# Allegro board FEE5_10_30.brd (continued)
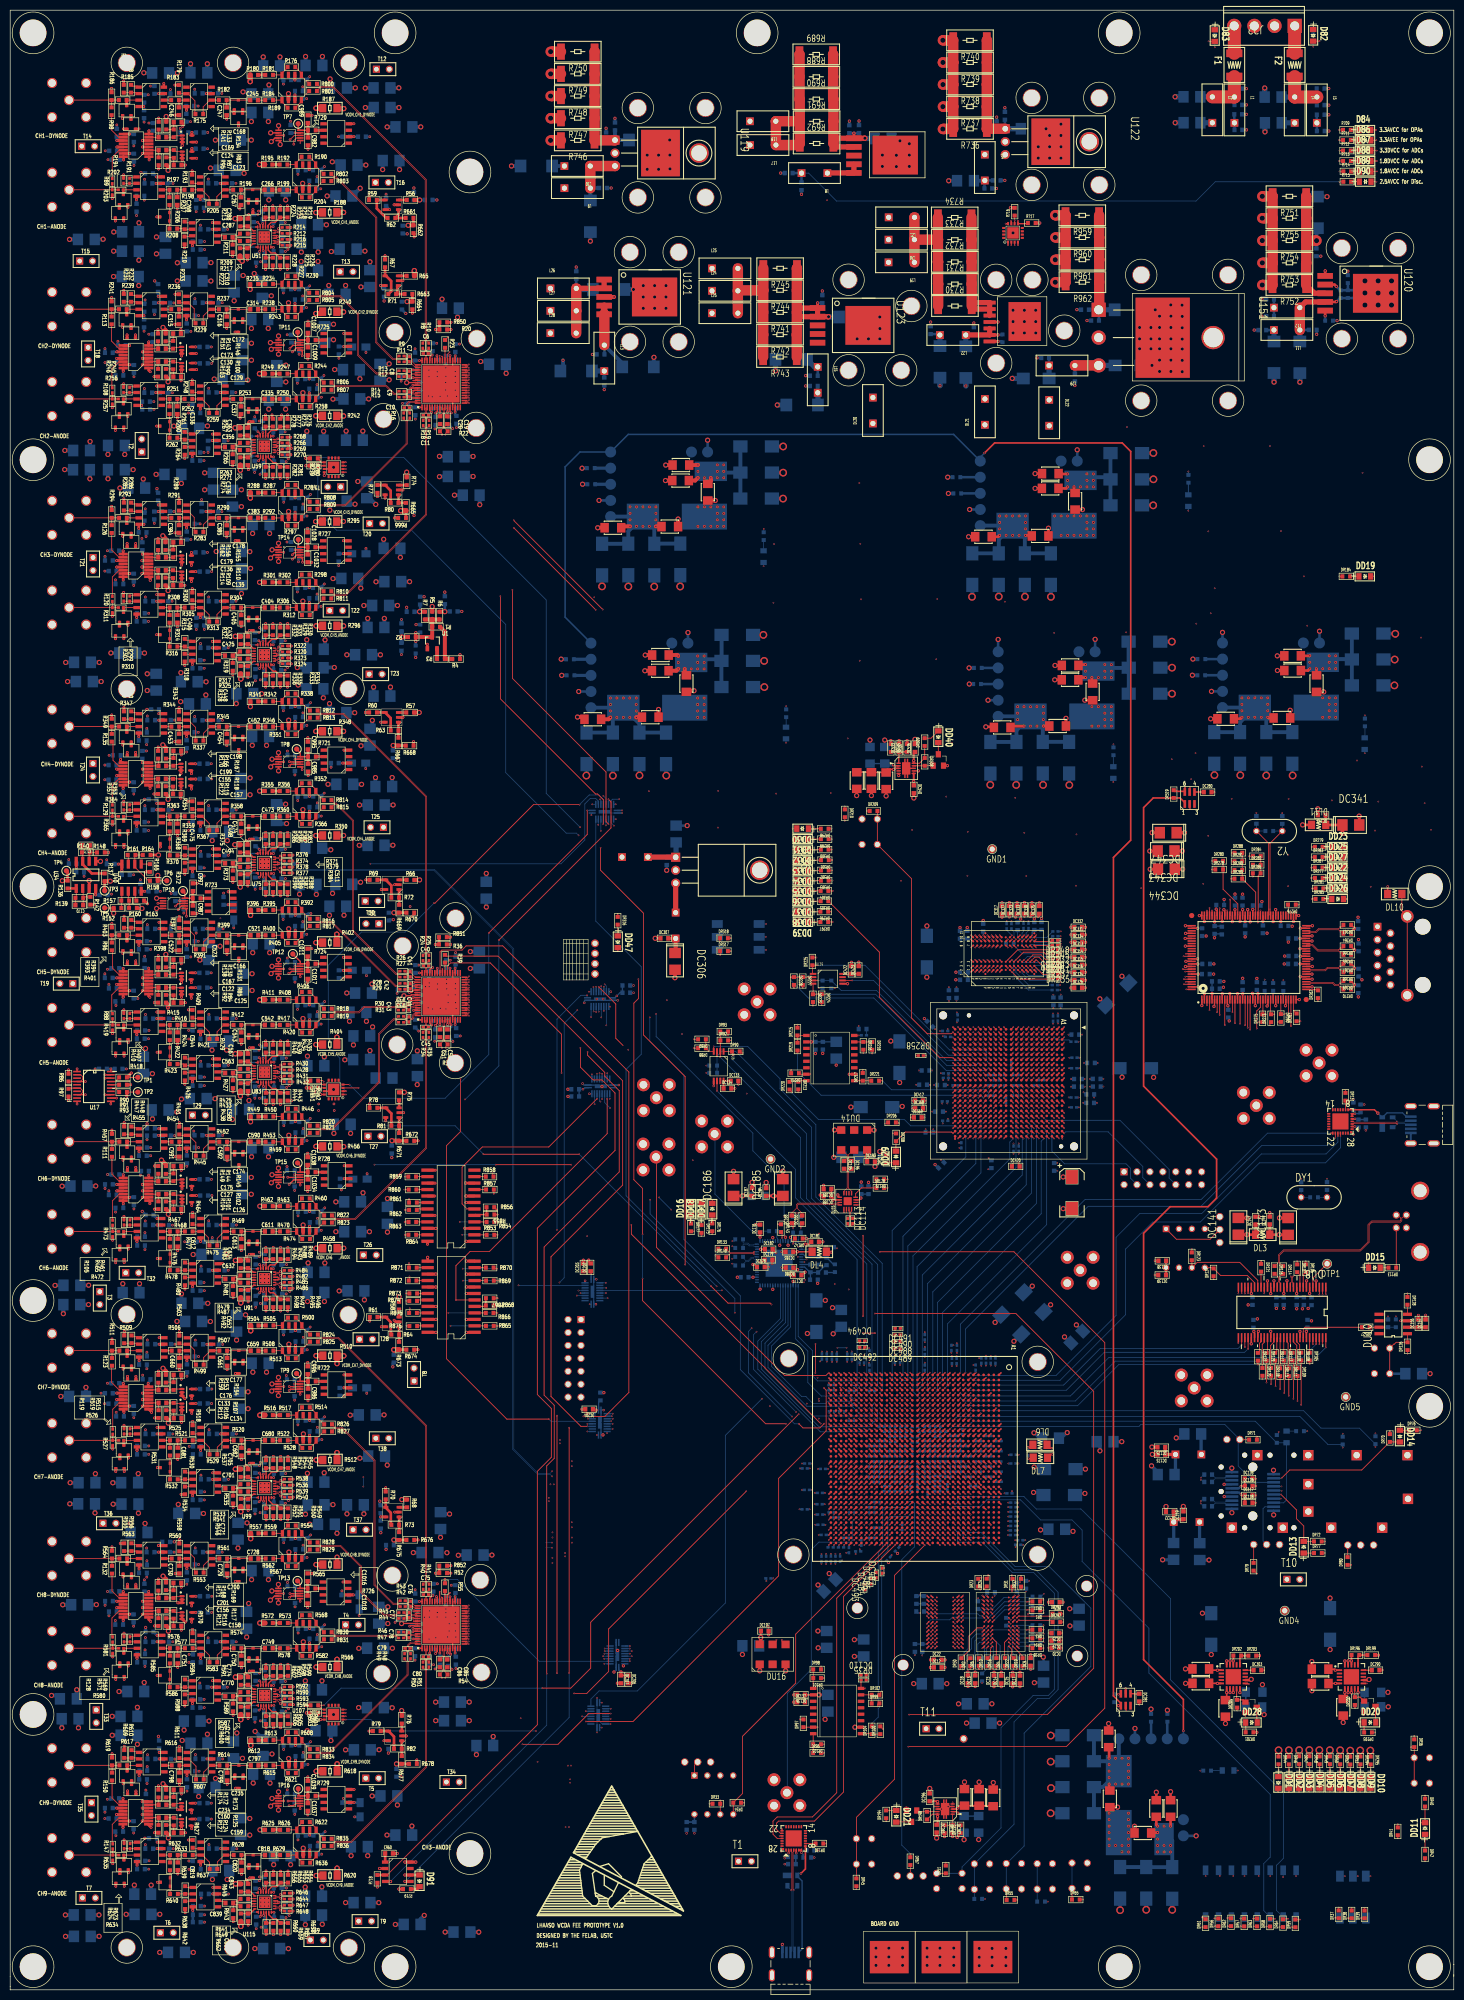
[diagram p0: board, top side]
## Routing (per net, layer and track width the routed paths; a pad name or vN(x,y) marks a point on that pad's centre or on a via; arc(x,y) is an arc through that point) (continued)
SCLK_ADC2_BUF: length 68.9
  TOP w0.152: DU4.AC28 v1(171.79,93.32)
  S5 w0.152: v1(118.34,110.14) 120.72,107.76 147.68,107.76 151.56,103.87 172.12,103.87 172.27,103.72 172.27,93.8 v1(171.79,93.32)
  BOTTOM w0.152: DU20.8 v1(118.34,110.14)
SCLK_ADC3: length 44.6
  TOP w0.254: v9(86.42,77.97) 85.9,77.45 85.9,77.43 85.87,77.4 85.87,76.29 U4.38
  S5 w0.152: v9(86.42,77.97) 88.4,77.97 102.84,63.53 118.23,63.53 119.23,64.53 v1(121.72,64.53)
  BOTTOM w0.152: v1(121.72,64.53) 121.7,64.51 DU24.18
SCLK_ADC3_BUF: length 69.4
  TOP w0.152: DU4.AC31 v1(171.79,90.32)
  S5 w0.152: v1(171.79,90.32) 171.34,89.87 171.34,87.03 159.47,75.16 128.75,75.16 117.61,64.02 v1(116.71,64.02)
  BOTTOM w0.152: DU24.2 116.72,64.01 v1(116.71,64.02)
SCLK_DAC1: length 236.7
  TOP w0.152: v3(55.71,362.41) 55.71,363.12 56.23,363.64 U128.7 ; R864.2 78.19,148.24 v1(77.53,148.24)
  S3 w0.152: v3(55.71,362.41) 72.11,346.01 72.11,323.72 75.44,320.39 75.44,311.69 80.06,307.07 80.06,298.87 86.59,292.34 86.59,214.88 85.31,213.6 85.31,199.21 85.09,198.99 85.09,186.89 84.94,186.74 84.94,186.66 84.53,186.25 84.45,186.25 83.69,185.49 83.69,165.55 84.85,164.38 84.85,152.02 81.08,148.24 v1(77.53,148.24)
SCLK_DAC2: length 191.5
  TOP w0.152: R863.2 77.49,150.79 v1(77.48,150.78)
  TOP w0.254: U136.7 56.28,322.46 v3(55.44,321.63)
  S3 w0.152: v1(77.48,150.78) 77.48,150.78 82.34,155.64 82.34,190.47 83.68,191.8 83.68,193.72 83.12,194.29 83.12,198.63 82.46,199.29 82.46,201.92 84.35,203.8 84.35,289.15 71.4,302.11 67.68,302.11 62.38,307.41 62.38,314.7 v3(55.44,321.63)
SCLK_DAC3: length 143.5
  TOP w0.152: R862.2 v1(77.54,153.14)
  TOP w0.254: v3(55.45,280.92) 55.46,280.92 56.26,281.73 56.99,281.73 U142.7
  S3 w0.152: v1(77.54,153.14) 77.54,153.19 80.92,156.58 80.92,215 82.14,216.22 82.14,243.18 55.45,269.87 v3(55.45,280.92)
SCLK_DAC4: length 99.3
  TOP w0.152: v1(78.36,155.27) 78.36,155.1 78.36,155.1 R861.2
  TOP w0.254: v3(54.89,240.34) 55.19,240.64 U129.7
  S3 w0.152: v1(78.36,155.27) 78.36,188.25 73.97,192.64 73.97,221.35 59.59,235.72 56.9,235.72 54.89,237.74 v3(54.89,240.34)
SCLK_DAC5: length 58.9
  TOP w0.152: R860.2 v1(77.42,157.14)
  TOP w0.254: v3(54.72,199.62) 54.92,199.62 55.28,199.98 U137.7
  S4 w0.152: v3(54.72,199.62) 54.72,189.5 56.34,187.88 56.34,171.86 71.06,157.14 v1(77.42,157.14)
SCLK_DAC6: length 26.6
  TOP w0.152: R859.2 77.69,159.68 v1(77.54,159.68)
  TOP w0.254: U143.7 55.72,159.06 v3(54.8,158.14)
  S3 w0.152: v3(54.8,158.14) 55.34,158.67 76.54,158.67 v1(77.54,159.68)
SCLK_DAC7: length 65.3
  TOP w0.152: v1(94.76,160.37) 94.76,159.87 R858.1
  TOP w0.254: v3(54.81,117.69) 55.06,117.94 56.94,117.94 U130.7
  S2 w0.152: v1(94.76,160.37) 90.2,160.37 60.11,130.29 60.11,125.75 54.35,119.98 54.35,118.15 v3(54.81,117.69)
SCLK_DAC8: length 103.4
  TOP w0.152: R857.1 v1(95.01,156.33)
  TOP w0.254: v3(54.9,77.07) 54.96,77.07 55.21,77.32 U138.7
  S2 w0.152: v1(95.01,156.33) 95.01,146.9 89.19,141.08 89.1,141.08 88.78,140.76 88.78,140.67 80.3,132.19 80.29,132.19 79.98,131.87 79.98,131.87 59.58,111.46 59.58,108.61 58.67,107.71 56.78,107.71 51.25,102.17 51.25,97.01 50.84,96.6 50.84,86.88 53.68,84.04 53.68,79.27 54.28,78.67 54.28,77.69 v3(54.9,77.07)
SCLK_DAC9: length 144.7
  TOP w0.152: R854.1 v1(96,150.79)
  TOP w0.254: U144.7 56.09,36.59 55.64,36.14 v3(54.79,36.14)
  S5 w0.152: v1(88.31,150.79) 88.31,90.36 78.62,80.67 78.62,72.38 77.98,71.74 77.98,53.5 74.1,49.62 66.69,49.62 62.43,45.36 62.43,42.32 56.26,36.14 v3(54.79,36.14)
  BOTTOM w0.152: v1(96,150.79) v1(88.31,150.79)
SCLK_DAC_BUF: length 43.1
  TOP w0.152: v1(115.27,174.97) 105.8,165.5 92.74,165.5 88.77,161.53 88.77,154.33 v1(89.72,153.37) 91.15,153.37 U148.6
  BOTTOM w0.152: DU17.17 115.27,175.95 v1(115.27,174.97)
SCLK_DAC_BUF_A7_FPGA: length 0.6
  TOP w0.152: DU4.AB24 v1(172.79,97.32)
SCLK_DAC_CALIB: length 126
  TOP w0.152: R853.1 v1(95.76,148.25)
  TOP w0.254: v3(33.01,212.1) 33.01,212.21 33.64,212.84 U131.7
  S1 w0.152: v3(78.56,212.73) 79.79,212.73 88.76,203.75 88.76,189.46 90.1,188.11 90.1,148.85 89.5,148.25 v1(88.81,148.25)
  S4 w0.152: v3(78.56,212.73) 45.39,212.73 44.77,212.1 v3(33.01,212.1)
  BOTTOM w0.152: v1(88.81,148.25) 88.81,148.25 v1(95.76,148.25)
SDIO_ADC1: length 174.5
  TOP w0.152: v9(86,324.52) 85.43,323.96 R23.1
  S5 w0.152: v9(86,324.52) 89.02,327.55 94.23,327.55 109.21,312.57 109.21,179.49 v1(114.8,173.91)
  BOTTOM w0.152: v1(114.8,173.91) 114.8,175.93 DU17.18
SDIO_ADC1_BUF: length 117.1
  TOP w0.152: DU4.AB25 v1(172.79,96.32)
  S2 w0.152: v1(172.79,96.32) 172.35,96.76 171.47,96.76 171.21,97.02 171.21,101.62 171.06,101.77 158.52,101.77 114.28,146.01 v1(114.28,179.77)
  BOTTOM w0.152: DU17.2 v1(114.28,179.77)
SDIO_ADC2: length 123.5
  TOP w0.152: v1(113.39,110.65) 112.11,110.65 106.23,116.52 106.23,143.93 120.31,158.02 120.31,178.5 95.84,202.97 85.67,202.97 R39.1
  BOTTOM w0.152: DU20.14 114.36,110.65 v1(113.39,110.65)
SDIO_ADC2_BUF: length 70.8
  TOP w0.152: DU4.AA28 v1(173.79,93.32)
  S5 w0.152: v1(118.34,111.14) 120.86,108.61 148.3,108.61 152.28,104.63 173.13,104.63 173.28,104.48 173.28,93.83 v1(173.79,93.32)
  BOTTOM w0.152: DU20.6 v1(118.34,111.14)
SDIO_ADC3: length 39.9
  TOP w0.254: v3(85.41,80.6) 85.41,80.35 85.41,80.34 R55.1
  BOTTOM w0.152: v3(85.41,80.6) 87.84,80.6 103.93,64.51 DU24.3
SDIO_ADC3_BUF: length 66.6
  TOP w0.152: DU4.V33 v1(176.79,88.32)
  S5 w0.152: v1(176.79,88.32) 176.34,87.87 174.47,87.87 174.31,87.71 174.31,87.18 159.48,72.36 130.29,72.36 122.95,65.01 v1(121.69,65.01)
  BOTTOM w0.152: DU24.17 v1(121.69,65.01)
SENSE_ADC1: length 15.1
  TOP w0.254: U2.55 79.69,316.08 79.62,316.01 v9(79.17,316.01)
  TOP w0.508: v3(83.54,326.04) 83.56,326.02 R20.1 84.32,327.43 R850.1
  S5 w0.254: v3(83.54,326.04) 81.28,323.78 81.28,317.86 79.43,316.01 v9(79.17,316.01)
SENSE_ADC2: length 13.9
  TOP w0.254: U3.55 v9(79.47,195.83)
  TOP w0.508: v3(83.48,205.25) 83.5,205.27 R36.1 84.25,206.7 R851.1
  S5 w0.254: v3(83.48,205.25) 81.66,203.42 81.66,198 79.49,195.83 v9(79.47,195.83)
SENSE_ADC3: length 14.2
  TOP w0.254: v9(79.24,72.39) 80.04,72.39 U4.55
  TOP w0.508: v3(83.53,81.82) 83.54,81.83 R52.1 84.29,83.27 R852.1
  S5 w0.254: v9(79.24,72.39) 79.3,72.45 79.32,72.45 81.25,74.38 81.25,79.54 v3(83.53,81.82)
SFP_RD_N: length 4.3
  BOTTOM w0.102: DC131.1 236.69,95.55 238.65,95.55 238.94,95.26 DU5.12
SFP_RD_P: length 4.3
  BOTTOM w0.102: DU5.13 238.94,96.05 238.66,95.76 236.69,95.76 DC129.2
SFP_RS0: length 22.7
  S2 w0.152: DJ6.2 265.16,87.45 265.16,90.56 259.27,96.45 v1(249.59,96.45)
  BOTTOM w0.152: DU5.7 v1(249.59,96.45)
SFP_RS1: length 9.6
  BOTTOM w0.152: DU5.9 246.49,94.85 246.12,94.48 246.12,88.13 DJ5.2
SFP_TD_N: length 4.3
  BOTTOM w0.102: DU5.19 238.95,100.85 238.66,100.56 236.7,100.56 DC132.2
SFP_TD_P: length 4.3
  BOTTOM w0.102: DC130.2 236.09,99.76 236.68,100.35 238.69,100.35 238.97,100.06 DU5.18
SFP_TX_DETECT: length 14.5
  TOP w0.152: DR72.1 256.11,88.05 DD13.2 254.11,91.08 252.67,92.52 252.67,94.25 v1(249.65,97.27)
  BOTTOM w0.152: DU5.6 v1(249.65,97.27)
SFP_TX_FAULT: length 27.8
  TOP w0.152: DD14.2 271.04,107.58 DR70.1 265.5,102.07 251.36,102.07 v1(249.73,100.44)
  BOTTOM w0.152: DU5.2 v1(249.73,100.44)
SITCP_EEPROM_CS: length 79.9
  TOP w0.152: v1(141.97,183.57) 141.97,184.08 DR90.1 DU6.1 ; DU4.AF4 v1(168.79,118.19)
  BOTTOM w0.152: v1(141.97,183.57) 141.97,182.57 156.44,168.1 156.44,155.36 169.3,142.5 169.3,118.69 v1(168.79,118.19)
SITCP_EEPROM_DI: length 86.7
  TOP w0.152: DU4.AD4 v1(170.79,118.19) ; v1(138.85,183.38) 138.84,183.38 DU6.3
  BOTTOM w0.152: 138.85,183.37 v1(138.85,183.38) ; 138.85,183.37 139.77,184.28 142.51,184.28 157.39,169.4 157.39,155.43 170.41,142.41 170.41,118.57 v1(170.79,118.19) ; 138.85,183.37 138.85,181.49 DR94.1 138.86,180.07 DR95.1
SITCP_EEPROM_DO: length 91
  TOP w0.152: v1(138.2,185.24) DU6.4 137.3,184.26 DR88.1 DR89.1 ; DU4.AD5 v1(170.79,117.19)
  BOTTOM w0.152: v1(170.79,117.19) 171.3,117.7 171.3,142.65 158.27,155.68 158.27,169.87 151.22,176.92 151.22,178.9 144.88,185.24 v1(138.2,185.24)
SITCP_EEPROM_ORG: length 72.5
  TOP w0.152: DU6.6 v1(138.84,176.52) ; DU4.AH4 v1(166.79,118.19)
  BOTTOM w0.152: v1(138.84,176.52) 154.26,161.11 154.26,155.52 166.37,143.42 166.37,118.95 166.79,118.53 v1(166.79,118.19)
SITCP_EEPROM_SK: length 82.7
  TOP w0.152: v1(139.49,183.12) DU6.2 139.49,186.41 DR92.1 139.5,188.17 DR93.1 ; DU4.AG4 v1(167.79,118.19)
  BOTTOM w0.152: v1(167.79,118.19) 168.27,118.67 168.27,142.53 155.25,155.55 155.25,167.36 v1(139.49,183.12)
STATUS: length 26.9
  TOP w0.152: v1(133.75,155.1) 133.75,154.46 DD16.2
  S4 w0.152: v1(133.75,155.1) 140.27,148.57 143.48,148.57 148.13,143.92 v1(154.72,143.92)
  BOTTOM w0.152: DU13.6 v1(154.72,143.92)
SW1: length 136.1
  TOP w0.152: DU4.H26 v1(187.65,95.32) ; v1(253.35,13.8) 253.34,13.81 DR59.2
  S5 w0.152: v1(253.35,13.8) 253.35,23.95 247.51,29.8 247.51,48.83 250.25,51.57 250.25,68.3 246.04,72.51 228.38,72.51 206.04,94.85 201,94.85 199.02,96.83 188.25,96.83 188.13,96.71 188.13,95.79 187.67,95.32 v1(187.65,95.32)
  BOTTOM w0.152: DSW7.1 253.09,13.8 v1(253.35,13.8)
SW2: length 127.2
  TOP w0.152: DR64.2 250.13,13.95 v1(251.01,13.95) ; DU4.K26 v1(185.65,95.32)
  BOTTOM w0.152: v1(185.65,95.32) 185.68,95.32 186.14,95.79 186.14,96.61 186.38,96.85 199.14,96.85 201.57,94.42 210.34,94.42 227.93,76.82 227.93,60.89 250.14,38.68 250.14,25.84 248.75,24.45 248.75,15.6 DSW7.2 250.4,13.95 v1(251.01,13.95)
SW3: length 124.1
  TOP w0.152: DR58.2 v1(248.43,13.95) ; DU4.L27 v1(184.65,94.32)
  BOTTOM w0.152: v1(184.65,94.32) 184.67,94.32 185.26,94.91 190.55,94.91 191.85,96.22 198.47,96.22 202.42,92.26 208.58,92.26 210.57,90.28 210.57,84.11 223.69,70.99 223.69,62.19 247.52,38.36 247.52,26.07 246.25,24.8 246.25,15.55 DSW7.3 247.85,13.95 v1(248.43,13.95)
SW4: length 128.8
  TOP w0.152: DU4.G26 v1(188.65,95.32) ; v1(244.16,13.99) 244.16,13.99 DR63.2
  S5 w0.152: v1(188.65,95.32) 188.67,95.32 189.29,95.95 193.16,95.95 194.77,94.34 205.77,94.34 230.53,69.58 245.82,69.58 248.01,67.39 248.01,51.97 245.76,49.72 245.76,25.56 244.16,23.96 v1(244.16,13.99)
  BOTTOM w0.152: v1(244.16,13.99) 244.7,13.99 DSW7.4
SW5: length 112.6
  TOP w0.152: v1(241.65,14.01) 241.67,13.99 DR57.2 ; DU4.G27 v1(188.65,94.32)
  S5 w0.152: v1(188.65,94.32) 188.66,94.32 189.18,94.85 192.96,94.85 194.42,93.39 202.64,93.39 216.68,79.35 216.68,72.92 241.65,47.95 v1(241.65,14.01)
  BOTTOM w0.152: v1(241.65,14.01) 242.18,14.01 DSW7.5
SW6: length 110.8
  TOP w0.152: v1(239.1,14.11) 239.74,14.11 DR62.2 ; DU4.H27 v1(187.65,94.32)
  S5 w0.152: v1(187.65,94.32) 187.65,94.32 188.2,93.78 192.93,93.78 195.18,91.53 202.48,91.53 214.26,79.74 214.26,73.77 239.1,48.94 v1(239.1,14.11)
  BOTTOM w0.152: DSW7.6 239.74,14.11 v1(239.1,14.11)
SW7: length 108.1
  TOP w0.152: DU4.J26 v1(186.65,95.32) ; v1(236.53,14.02) 236.55,14 DR56.2
  S5 w0.152: v1(186.65,95.32) 186.65,95.28 187.14,94.8 187.14,92.95 187.31,92.78 190.28,92.78 200.61,82.44 204.13,82.44 236.53,50.04 v1(236.53,14.02)
  BOTTOM w0.152: DSW7.7 237.11,14.02 v1(236.53,14.02)
SW8: length 113.4
  TOP w0.152: v1(234.08,14.22) 234.44,14.22 DR61.2 ; DU4.K27 v1(185.65,94.32)
  S5 w0.152: v1(185.65,94.32) 185.65,94.3 186.21,93.74 186.21,92.01 186.44,91.78 189.27,91.78 199.42,81.63 201.32,81.63 204.71,78.24 204.71,67.04 208.71,63.05 221.67,63.05 234.84,49.88 234.84,26.28 234.08,25.52 v1(234.08,14.22)
  BOTTOM w0.152: DSW7.8 234.77,14.22 v1(234.08,14.22)
SY8933_EN: length 6.9
  TOP w0.152: DR179.2 170.16,159.14 DR178.1 167.22,157.47 166.09,156.34 DU15.8
SYNC_DAC_CALIB: length 1.7
  TOP w0.254: U131.6 34.37,212.34 34.63,212.08 v3(34.63,210.82)
T_CS: length 247.2
  TOP w0.152: v1(197.96,342.58) 197.96,342.65 197.97,342.65 U125.4
  S1 w0.152: v1(112.03,136.81) 112.03,146.68 v1(113.35,148)
  S3 w0.152: v1(131.97,187.69) 131.96,187.67 131.96,159.24 120.71,148 v1(113.35,148)
  S4 w0.152: v1(197.96,342.58) 197.96,335.45 190.56,328.05 190.56,315.25 161.64,286.33 161.64,247.24 134.86,220.46 134.86,190.58 v1(131.97,187.69)
  BOTTOM w0.152: DU21.15 112.91,136.81 v1(112.03,136.81)
T_CS1: length 105.2
  TOP w0.152: v1(115.01,270.99) 115.01,271 v1(98.91,287.1)
  TOP w0.254: v1(65.94,299.94) 65.85,299.94 U152.4
  S4 w0.152: v1(98.91,287.1) 86.07,299.94 v1(65.94,299.94) ; v1(115.51,228.77) 115.02,229.26 115.02,270.98 v1(115.01,270.99)
  BOTTOM w0.152: v1(115.51,228.77) 115.51,229.86 DU45.8
T_CS1_BUF: length 146.3
  TOP w0.152: DU4.AD11 v1(170.79,111.19)
  S1 w0.152: v1(144.68,175.99) 144.68,186.66 134.94,196.4 134.94,204.45 114.66,224.74 114.66,232.46 v1(114.33,232.78)
  S5 w0.152: v1(144.68,175.99) 144.68,165.72 170.41,139.99 170.41,118.03 170.42,118.02 170.42,117.35 170.41,117.34 170.41,111.57 v1(170.79,111.19)
  BOTTOM w0.152: DU45.12 v1(114.33,232.78)
T_CS2: length 90.2
  TOP w0.152: v1(113.36,231.58) 113.36,226.87 v1(94.01,207.52) ; v1(66.65,177.76) 66.65,177.76 U153.4
  BOTTOM w0.152: v1(66.65,177.76) 69.34,175.07 85.44,175.07 94.01,183.64 v1(94.01,207.52) ; DU45.11 v1(113.36,231.58)
T_CS2_BUF: length 147.7
  TOP w0.152: DU4.AF10 v1(168.79,112.19)
  S3 w0.152: v1(168.79,112.19) 168.3,112.68 168.3,113.28 167.9,113.68 159.92,113.68 138.77,134.82 v1(138.77,138.13)
  BOTTOM w0.152: v1(138.77,138.13) 120.98,155.92 120.98,180.73 123.97,183.71 123.97,200.91 115.03,209.84 DU45.9
T_CS3: length 54.8
  TOP w0.152: U154.4 65.84,55.02 65.84,55.02 v1(65.93,55.02)
  S1 w0.152: v1(100.28,53.32) 109.21,53.32 112.28,56.39 v1(116.25,56.39)
  S3 w0.152: v1(100.28,53.32) 98.48,51.52 70.34,51.52 66.85,55.02 v1(65.93,55.02)
  BOTTOM w0.152: DU46.11 116.24,56.4 v1(116.25,56.39)
T_CS3_BUF: length 99.8
  TOP w0.152: DU4.AG6 v1(167.79,116.19)
  S4 w0.152: v1(158.83,116.08) 159.51,116.08 159.95,115.64 167.24,115.64 v1(167.79,116.19)
  S5 w0.152: v1(147.7,116.08) v1(158.83,116.08)
  BOTTOM w0.152: v1(147.7,116.08) 140.49,108.87 140.49,75.96 123.21,58.68 115.67,58.68 114.08,57.09 DU46.9
T_CS_BUF: length 59.5
  TOP w0.152: DU4.AH3 v1(166.79,119.19)
  S2 w0.152: v1(139.82,137.35) 139.83,137.33 144.03,137.33 159.45,121.91 163.81,121.91 164.27,121.44 164.27,121.16 164.87,120.57 165.16,120.57 165.33,120.4 165.33,120.06 165.82,119.57 166.4,119.57 v1(166.79,119.19)
  BOTTOM w0.152: v1(139.82,137.35) 139.8,137.33 DU21.5
T_CT: length 283.7
  TOP w0.152: DU4.AJ1 v1(165.79,121.19) ; U125.10 197.32,347.31 197.32,347.31 v1(197.32,347.39) R716.1
  S2 w0.152: v1(197.32,347.39) 198.62,346.09 198.62,340.38 197.15,338.91 197.15,332.11 185.48,320.43 185.48,250.55 170.56,235.64 170.56,234.69 164.96,229.09 164.96,228.16 121.42,184.61 v1(121.42,184.61)
  S5 w0.152: v1(121.42,184.61) 121.42,158.42 144.28,135.56 147.81,135.56 159.84,123.53 159.84,123.42 159.86,123.4 159.86,123.16 161.42,121.6 165.38,121.6 165.79,121.19 v1(165.79,121.19)
T_CT1: length 255.5
  TOP w0.152: DU4.AE11 v1(169.79,111.19) ; v1(154.93,111.15) 155.74,110.34 159.05,110.34 v1(159.89,111.19)
  TOP w0.254: U152.10 60.45,299.29 R1000.1 60.44,298.63 60.44,298.63 v1(60.44,298.59)
  S1 w0.152: v1(125.65,190.95) 125.65,209.33 111.66,223.32 v1(111.66,226.69)
  S5 w0.152: v1(169.79,111.19) 169.22,110.62 160.42,110.62 159.89,111.15 v1(159.89,111.19)
  BOTTOM w0.152: v1(111.66,226.69) 111.22,227.13 109.23,227.13 97.34,239.03 97.34,268.11 78.83,286.62 64.11,286.62 60.44,290.29 v1(60.44,298.59) ; v1(125.65,190.95) 125.65,186.32 132.35,179.63 132.35,147.37 143.43,136.29 143.43,121.79 154.07,111.15 v1(154.93,111.15)
T_CT2: length 144.8
  TOP w0.152: v1(159.22,111.19) 122.02,148.38 v1(122.02,150.21) ; DU4.AC11 v1(171.79,111.19) ; v1(59.91,176.14) 59.91,176.44 60.51,177.03 R1003.1 60.51,177.11 U153.10 ; v1(95.4,162.03) v1(110.22,162.03)
  S3 w0.152: v1(122.02,150.21) 122.02,150.23 v1(110.22,162.03) ; v1(159.22,111.19) 159.79,110.62 171.22,110.62 v1(171.79,111.19) ; v1(71.56,162.04) 71.52,162.04 61.88,171.67 61.88,173.68 59.91,175.65 v1(59.91,176.14)
  BOTTOM w0.152: v1(95.4,162.03) 71.56,162.03 v1(71.56,162.04)
T_CT3: length 149.6
  TOP w0.152: v1(144.6,97.91) 117.56,70.87 117.56,62.5 113.26,58.2 v1(110.78,58.2) ; DU4.AF7 v1(168.79,115.19) ; U154.10 R1005.1 60.53,53.82 v1(60.08,53.38)
  S1 w0.152: v1(168.79,115.19) 168.35,115.63 158.9,115.63 v1(158.9,115.63) ; v1(144.6,97.91) 149.23,102.54 v1(149.23,114.6)
  S3 w0.152: v1(110.78,58.2) 64.88,58.2 60.08,53.4 v1(60.08,53.38)
  S5 w0.152: v1(149.23,114.6) 150.26,115.63 v1(158.9,115.63)
T_DIN: length 190.2
  TOP w0.152: U125.3 197.32,342.65 197.32,342.64 v1(197.32,342.58)
  S4 w0.152: v1(197.32,342.58) 196.79,342.06 190.84,342.06 184.92,336.15 184.92,319.25 152.58,286.91 152.58,255.77 123.47,226.66 123.47,206.37 114.13,197.03 114.13,195 114.61,194.52 v1(114.61,192.12)
  BOTTOM w0.152: v1(114.61,192.12) 114.61,193.09 DU44.8
T_DIN1: length 105.4
  TOP w0.152: v1(116.39,271.04) 98.91,288.52 v1(98.91,288.55)
  TOP w0.254: v1(65.94,299.29) 65.86,299.29 U152.3
  S2 w0.152: v1(116.39,271.04) 116.39,235.85 118.33,233.91 118.33,230.51 v1(118.96,229.87) ; v1(98.91,288.55) 93.18,294.29 90.69,294.29 85.69,299.29 v1(65.94,299.29)
  BOTTOM w0.152: DU45.2 118.95,229.88 v1(118.96,229.87)
T_DIN1_BUF: length 151.4
  TOP w0.152: v1(158.18,121.14) 158.18,126.8 v1(158.19,126.82) ; DU4.AG12 v1(167.79,110.19)
  S2 w0.152: v1(158.18,121.14) 158.18,113.5 160.33,111.35 160.33,111.09 160.85,110.57 167.41,110.57 v1(167.79,110.19) ; v1(126.89,191.64) 127.99,192.74 127.99,225.43 v1(119.64,233.78) ; v1(152.03,151.96) 152.03,151.96 155.42,148.57 155.42,131.9 158.19,129.13 v1(158.19,126.82)
  BOTTOM w0.152: DU45.18 118.03,233.5 118.32,233.78 v1(119.64,233.78) ; v1(152.03,151.96) 152.03,158.61 145.89,164.74 145.89,168.21 126.89,187.22 v1(126.89,191.64)
T_DIN2: length 98.5
  TOP w0.152: v1(117.52,233.79) 118.03,233.28 118.03,228.17 96,206.14 v1(96,206.11) ; U153.3 68.43,177.11 v1(68.43,177.11)
  S1 w0.152: v1(89.33,174.84) 87.58,173.08 77.98,173.08 73.95,177.11 v1(68.43,177.11)
  BOTTOM w0.152: v1(117.52,233.79) 117.52,232.8 DU45.17 ; v1(96,206.11) 96,181.44 89.4,174.84 v1(89.33,174.84)
T_DIN2_BUF: length 151.5
  TOP w0.152: v1(124.23,139.66) 124.23,135.32 148.4,111.15 v1(152.37,111.15) ; v1(124.23,148.37) 124.23,157.36 122.51,159.08 122.51,193.75 123.41,194.64 v1(123.41,198.45) ; DU4.AH11 v1(166.79,111.19)
  S1 w0.152: v1(166.79,111.19) 166.27,110.67 153.21,110.67 152.86,110.67 v1(152.37,111.15)
  S5 w0.152: v1(118.6,228.61) 123.41,223.79 v1(123.41,198.45)
  BOTTOM w0.152: v1(118.6,228.61) 118.03,229.17 DU45.3 ; v1(124.23,148.37) v1(124.23,139.66)
T_DIN3: length 61
  TOP w0.152: v1(65.93,54.37) 65.86,54.37 65.86,54.37 U154.3
  S1 w0.152: v1(65.93,54.37) 72.34,54.37 81.93,44.78 v1(103.59,44.78)
  S2 w0.152: v1(103.59,44.78) 103.59,44.78 112.01,53.2 v1(117.95,53.2)
  BOTTOM w0.152: DU46.17 116.98,53.2 v1(117.95,53.2)
T_DIN3_BUF: length 98.5
  TOP w0.152: DU4.AJ4 v1(165.79,118.19) ; v1(113.1,52.7) 122.36,52.7 150.96,81.3 150.96,100.44 160.29,109.77 160.29,117.74 v1(159.86,118.18)
  S1 w0.152: v1(159.86,118.18) 160.28,117.75 165.36,117.75 165.79,118.19 v1(165.79,118.19)
  BOTTOM w0.152: v1(113.1,52.7) 113.23,52.7 113.23,52.7 DU46.3
T_DIN_BUF: length 103.5
  TOP w0.152: DU4.AH1 v1(166.79,121.19)
  S4 w0.152: v1(113.68,196) 113.72,195.96 113.72,192.22 115.55,190.38 121.08,190.38 137.81,173.64 141.95,173.64 146.75,168.84 146.75,163.55 164.72,145.58 v1(164.72,137.52)
  S5 w0.152: v1(166.79,121.19) 166.06,121.92 166.06,136.18 v1(164.72,137.52)
  BOTTOM w0.152: DU44.12 113.72,196 v1(113.68,196)
T_DOUT: length 203.8
  TOP w0.152: v1(196.67,342.58) 196.67,342.7 196.67,342.7 U125.2
  S5 w0.152: v1(117.85,193.06) 116.84,193.06 116.19,192.4 116.19,191.7 116.9,190.99 120.79,190.99 136.04,206.24 136.04,206.28 141.03,211.27 146.15,211.27 156.86,221.99 156.86,225.56 163.21,231.91 179.29,231.91 185.74,238.35 185.74,285.12 195.05,294.44 195.05,316.43 196.07,317.45 196.07,333.18 196.67,333.77 v1(196.67,342.58)
  BOTTOM w0.152: v1(117.85,193.06) 117.65,193.06 DU44.2
T_DOUT1: length 97.9
  TOP w0.152: U152.2 v1(65.94,298.64) ; v1(98.66,274.89) 98.66,257.52 117.04,239.14 117.04,229.4 v1(117.53,228.9)
  S4 w0.152: v1(98.66,274.89) 74.91,298.64 v1(65.94,298.64)
  BOTTOM w0.152: DU45.4 v1(117.53,228.9)
T_DOUT1_BUF: length 147.3
  TOP w0.152: v1(167.54,132.26) 167.55,132.27 v1(167.55,148.1) ; DU4.AG10 v1(167.79,112.19)
  S1 w0.152: v1(167.55,148.1) 167.55,152.08 166,153.63 166,161.74 148.3,179.44 148.3,189.61 135.91,201.99 135.91,208.37 122.28,222 122.28,230.33 118.16,234.44 v1(116.52,234.44)
  S2 w0.152: v1(167.54,132.26) 168.17,131.63 168.17,112.57 v1(167.79,112.19)
  BOTTOM w0.152: DU45.16 117.03,233.93 v1(116.52,234.44)
T_DOUT2: length 95.9
  TOP w0.152: v1(83.24,213.37) 83.43,213.37 102.79,232.73 v1(111.84,232.73)
  TOP w0.254: U153.2 65.87,176.46 65.87,176.46 v1(65.94,176.46)
  BOTTOM w0.152: v1(65.94,176.46) 64.77,177.63 64.77,182.92 62.49,185.19 62.49,201.2 68.99,207.7 77.57,207.7 v1(83.24,213.37) ; v1(111.84,232.73) 113.74,234.62 115.63,234.62 116.53,233.72 DU45.15
T_DOUT2_BUF: length 150.7
  TOP w0.152: DU4.AD10 v1(170.79,112.19)
  S1 w0.152: v1(170.79,112.19) 170.25,111.65 159.38,111.65 158.85,112.18 v1(158.84,112.18)
  S3 w0.152: v1(146.61,129.24) 146.61,147.22 133.43,160.4 133.43,187.96 123.32,198.07 123.25,198.07 118.28,203.03 118.28,225.11 117.03,226.36 v1(117.03,228.64)
  S5 w0.152: v1(158.84,112.18) 158.37,112.66 154.69,112.66 154.38,112.97 v1(154.38,113.48)
  BOTTOM w0.152: v1(146.61,129.24) 146.03,128.66 146.03,121.82 v1(154.38,113.48) ; DU45.5 v1(117.03,228.64)
T_DOUT3: length 58.4
  TOP w0.152: v1(117.96,54.24) 113.64,54.24 107.61,48.21 v1(100.63,48.21) ; v1(65.93,53.71) 65.86,53.71 65.86,53.72 U154.2
  S4 w0.152: v1(65.93,53.71) 78.88,53.71 84.39,48.21 v1(100.63,48.21)
  BOTTOM w0.152: v1(117.96,54.24) 117.02,54.24 DU46.15
T_DOUT3_BUF: length 260.1
  TOP w0.152: DU4.AD3 v1(170.79,119.19) ; v1(170.83,144.93) 197.17,144.93 215.02,127.09 215.02,55.3 207.46,47.75 v1(176.43,47.75)
  S4 w0.152: v1(170.79,119.19) 170.36,119.62 170.36,125.51 170.83,125.98 v1(170.83,144.93)
  S5 w0.152: v1(176.43,47.75) 137.7,47.75 134.32,51.13 118.2,51.13 116.2,53.13 112.91,53.13 v1(112.35,53.69)
  BOTTOM w0.152: v1(112.35,53.69) 114.07,53.69 DU46.5
T_DOUT_BUF: length 109.1
  TOP w0.152: v1(169.87,128.94) 169.86,128.95 v1(167.49,128.95) ; DU4.AE2 v1(169.79,120.19)
  S1 w0.152: v1(169.87,128.94) 170.17,128.64 170.17,120.57 v1(169.79,120.19) ; v1(167.49,128.95) 165.95,130.49 165.95,138.95 163.29,141.61 163.29,145.86 157.55,151.59 157.55,164.39 147.61,174.33 139.57,174.33 121.85,192.06 121.85,194.56 118.98,197.43 v1(116.78,197.43)
  BOTTOM w0.152: v1(116.78,197.43) 117.11,197.09 DU44.18
T_H_DATA: length 12.1
  S2 w0.152: v1(115.61,192.08) 117.28,193.76 117.28,199.09 114.89,201.48 U127.2
  BOTTOM w0.152: DU44.6 115.61,193.09 v1(115.61,192.08)
T_H_DATA_BUF: length 104.4
  TOP w0.152: DU4.AG1 v1(167.79,121.19)
  S1 w0.152: v1(164.29,126.08) 165.49,126.08 166.11,125.46 166.11,122.67 167.6,121.19 v1(167.79,121.19) ; v1(162.51,126.08) 150.69,137.9 150.69,143.39 148.44,145.65 148.44,155.44 147.32,156.56 147.32,168.29 142.38,173.22 136.71,173.22 115.83,194.1 115.83,195.58 115.11,196.3 v1(115.11,196.98)
  BOTTOM w0.152: v1(115.11,196.98) 115.11,196.88 115.11,196.88 DU44.14 ; v1(162.51,126.08) v1(164.29,126.08)
T_INT: length 280.8
  TOP w0.152: U125.9 197.97,347.29 197.96,347.29 v1(197.96,347.39) ; DU4.AD1 v1(170.79,121.19)
  TOP w0.254: R717.1 199.79,346.81 U125.9
  S2 w0.152: v1(197.96,347.39) 197.96,347.42 197.57,347.81 195.64,347.81 179.64,331.82 179.64,259.83 135.2,215.39 135.2,200.52 v1(129,194.32)
  S5 w0.152: v1(170.79,121.19) 170.79,121.2 171.16,121.57 171.16,142.73 157.16,156.73 157.16,165.02 153.8,168.38 153.8,168.71 139.96,182.55 134.36,182.55 129,187.91 v1(129,194.32)
T_INT1: length 252.2
  TOP w0.152: v1(132.59,142.4) 132.59,179.32 124.4,187.5 124.4,211.41 115.98,219.83 v1(115.98,224.26) ; DU4.AG11 v1(167.79,111.19)
  TOP w0.254: U152.9 61.2,299.94 R1001.1 60.61,300.9 v1(61.09,300.9)
  S3 w0.152: v1(132.59,142.4) 132.59,136.4 157.35,111.63 167.34,111.63 v1(167.79,111.19)
  S5 w0.152: v1(111.96,228.29) v1(115.98,224.26)
  BOTTOM w0.152: v1(111.96,228.29) 105.3,234.94 105.3,272.9 77.3,300.9 v1(61.09,300.9)
T_INT2: length 133.9
  TOP w0.152: U153.9 61.27,177.76 R1002.1 61.39,178.53 v1(61.6,178.32) ; v1(149.56,134.57) 149.28,134.84 141.01,134.84 v1(137.65,138.21) ; v1(111.78,164.07) 93,164.07 v1(92.95,164.12) ; DU4.AJ3 v1(165.79,119.19)
  S3 w0.152: v1(149.56,134.57) 159.62,124.5 162.1,124.5 165.35,121.25 165.35,119.63 v1(165.79,119.19) ; v1(72.28,169.67) 67.05,174.9 63.49,174.9 61.6,176.8 v1(61.6,178.32)
  BOTTOM w0.152: v1(111.78,164.07) 137.64,138.21 v1(137.65,138.21) ; v1(92.95,164.12) 87.4,169.67 v1(72.28,169.67)
T_INT3: length 139.3
  TOP w0.152: U154.9 61.37,55.02 R1004.1 v1(61.63,55.87) ; v1(154.89,113.04) 114.04,72.18 114.04,63.16 110.12,59.24 v1(104.54,59.24) ; DU4.AG7 v1(167.79,115.19)
  S5 w0.152: v1(154.89,113.04) 156.48,114.62 167.23,114.62 v1(167.79,115.19)
  BOTTOM w0.152: v1(104.54,59.24) 65,59.24 v1(61.63,55.87)
T_SCLK: length 186.9
  TOP w0.152: v1(196.02,342.58) 196.02,342.69 U125.1
  S5 w0.152: v1(116.61,192.23) 120.36,192.23 134.12,205.99 134.12,212.71 174.21,252.79 174.21,293.22 185.48,304.49 185.48,332.05 v1(196.02,342.58)